# Altium PCB PCB_V0.0.PcbDoc (part 2 of 2)
Units mm, origin at the board's own origin, x right, y up, seen from the top; angles counter-clockwise.
Board outline 199 x 99 mm, 2 copper layers (Top Layer, Bottom Layer); 390 components, 361 nets, 1825 pads, 48 vias.
Unrouted connection lines stored in the file: 1025.
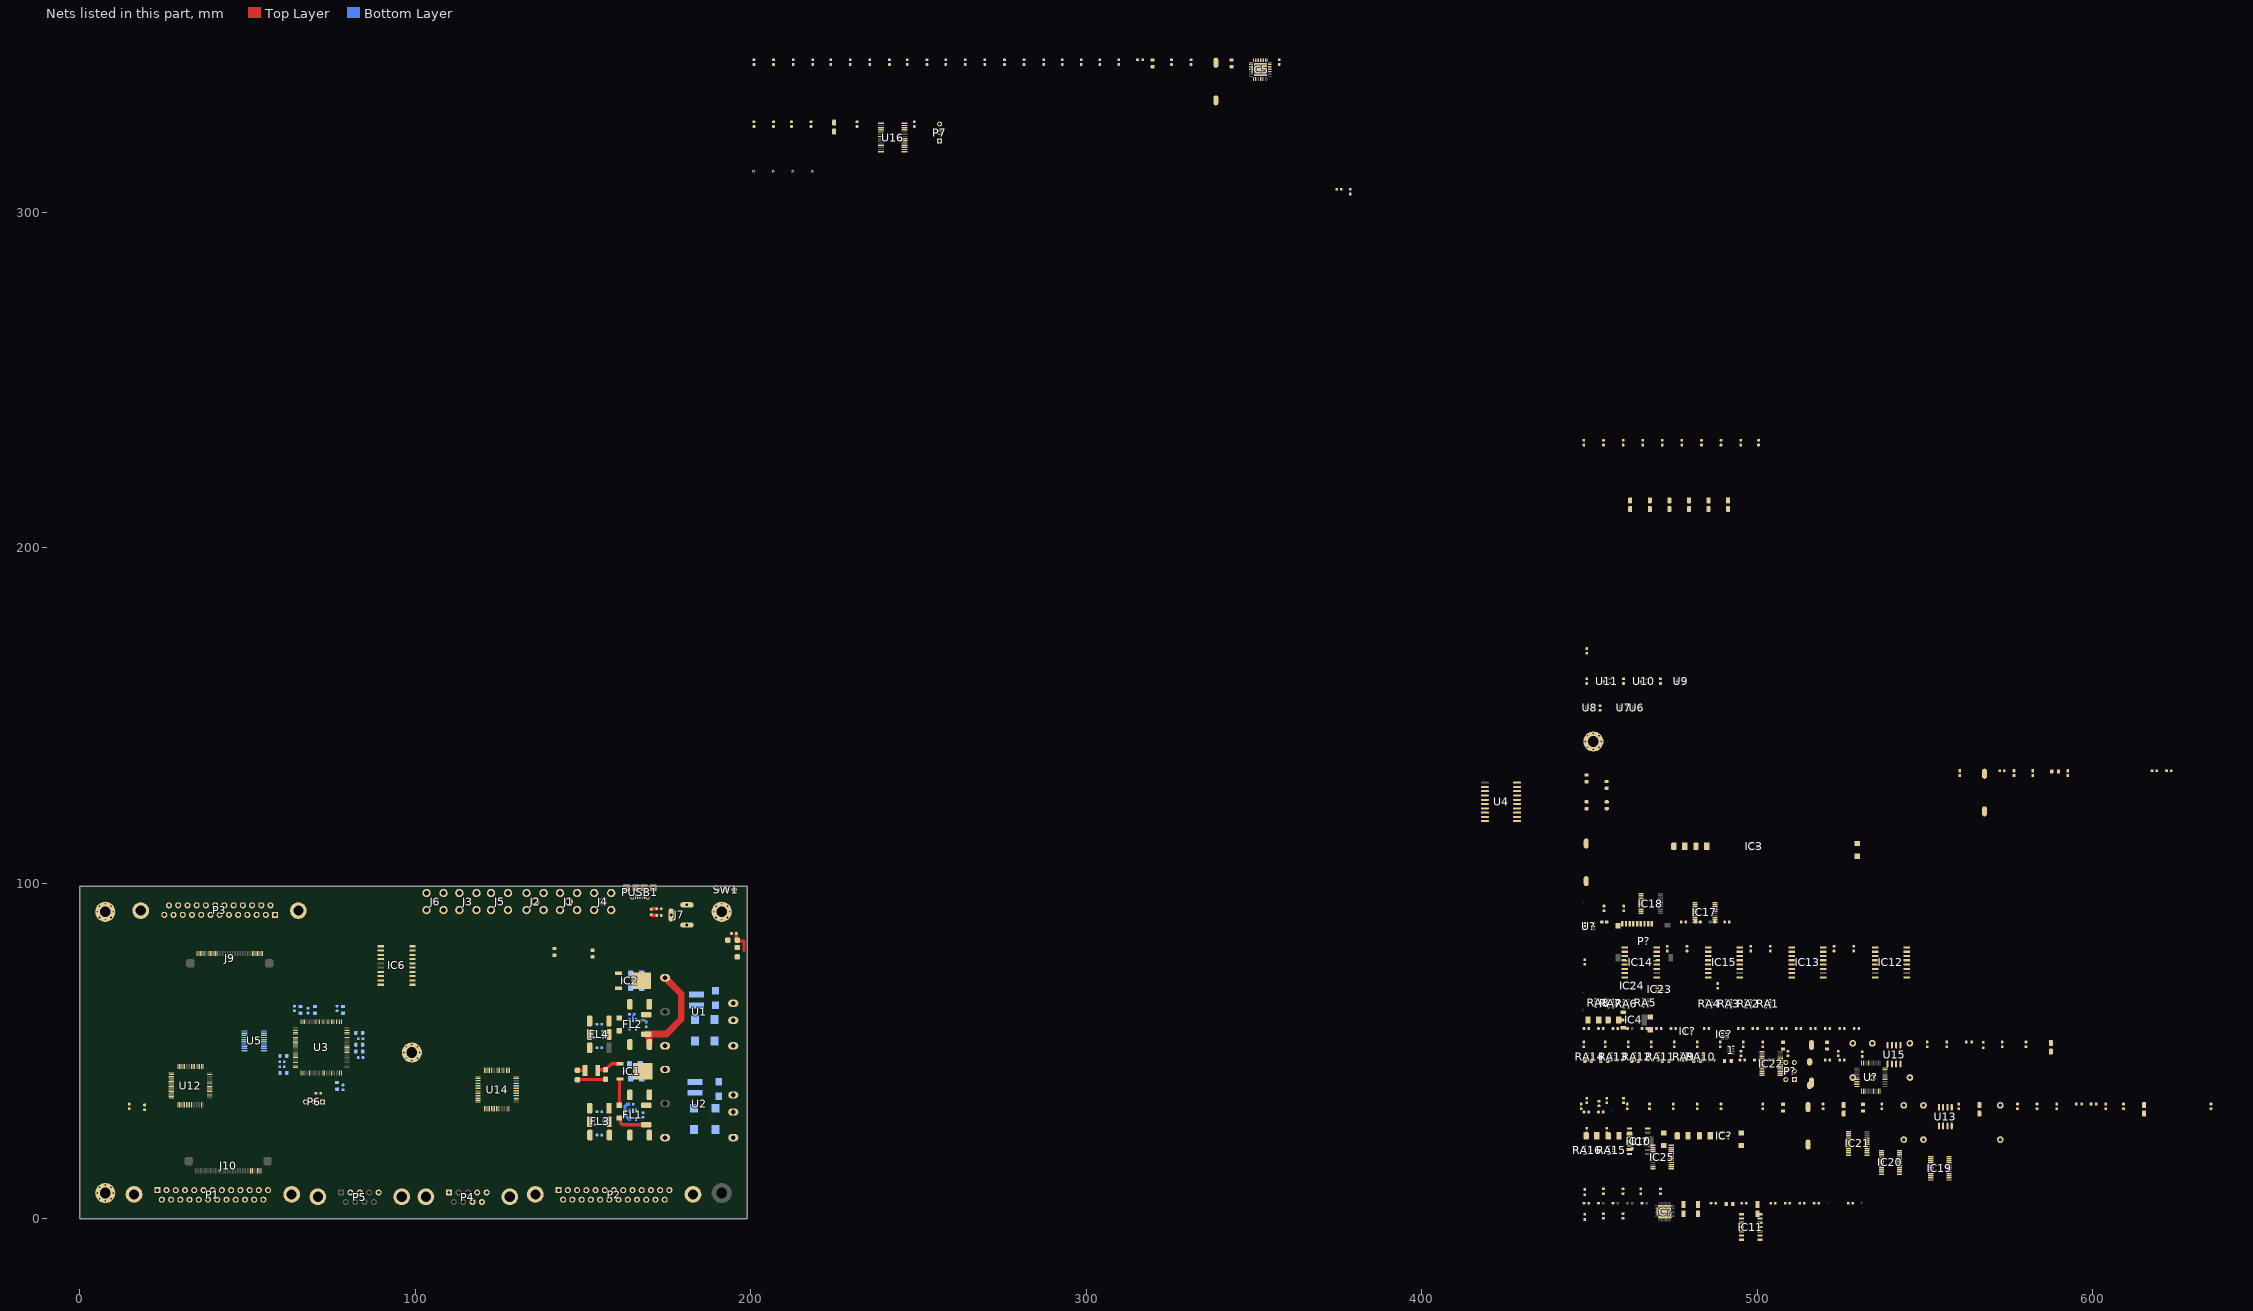
[diagram p2: the nets of this part, all layers, seen from the top]

## Footprints (in the part's own frame and the unit in brackets; to place one, negate y for a bottom-side part, rotate by r counter-clockwise, add the part's x,y. Pads: shape width x height; smd on the part's side, far side on the other; paste and mask are expansions set on the pad) (continued)
SOIC127P600X175-14N [mm]
  rect 1.525x0.65 smd: 1(-2.712,3.81) 2(-2.712,2.54) 3(-2.712,1.27) 4(-2.712,0) 5(-2.712,-1.27) 6(-2.712,-2.54) 7(-2.712,-3.81) 8(2.712,-3.81) 9(2.712,-2.54) 10(2.712,-1.27) 11(2.712,0) 12(2.712,1.27) 13(2.712,2.54) 14(2.712,3.81)
  silkscreen extent -3.47,-4.33 1.6,4.48, body extent -3.01,-4.32 3.01,4.34, height 1.75
SOIC127P1032X265-16N [mm]
  rect 1.925x0.65 smd: 1(-4.712,4.445) 2(-4.712,3.175) 3(-4.712,1.905) 4(-4.712,0.635) 5(-4.712,-0.635) 6(-4.712,-1.905) 7(-4.712,-3.175) 8(-4.712,-4.445) 9(4.712,-4.445) 10(4.712,-3.175) 11(4.712,-1.905) 12(4.712,-0.635) 13(4.712,0.635) 14(4.712,1.905) 15(4.712,3.175) 16(4.712,4.445)
  silkscreen extent -5.68,-5.15 3.4,5.15, body extent -5.16,-5.15 5.16,5.15, height 2.65
SOIC127P1032X265-20N [mm]
  rect 1.925x0.65 smd: 1(-4.712,5.715) 2(-4.712,4.445) 3(-4.712,3.175) 4(-4.712,1.905) 5(-4.712,0.635) 6(-4.712,-0.635) 7(-4.712,-1.905) 8(-4.712,-3.175) 9(-4.712,-4.445) 10(-4.712,-5.715) 11(4.712,-5.715) 12(4.712,-4.445) 13(4.712,-3.175) 14(4.712,-1.905) 15(4.712,-0.635) 16(4.712,0.635) 17(4.712,1.905) 18(4.712,3.175) 19(4.712,4.445) 20(4.712,5.715)
  silkscreen extent -5.68,-6.4 3.4,6.4, body extent -5.16,-6.4 5.16,6.4, height 2.65
SOP64P600X175-24N [mm]
  rect 1.525x0.435 smd: 1(-2.712,3.492) 2(-2.712,2.858) 3(-2.712,2.222) 4(-2.712,1.588) 5(-2.712,0.952) 6(-2.712,0.318) 7(-2.712,-0.318) 8(-2.712,-0.952) 9(-2.712,-1.588) 10(-2.712,-2.222) 11(-2.712,-2.858) 12(-2.712,-3.492) 13(2.712,-3.492) 14(2.712,-2.858) 15(2.712,-2.222) 16(2.712,-1.588) 17(2.712,-0.952) 18(2.712,-0.318) 19(2.712,0.318) 20(2.712,0.952) 21(2.712,1.588) 22(2.712,2.222) 23(2.712,2.858) 24(2.712,3.492)
  silkscreen extent -3.47,-4.33 1.6,4.33, body extent -3,-4.33 3,4.33, height 1.6
SOP65P640X120-20N [mm]
  rect 1.475x0.45 smd: 1(-2.938,2.925) 2(-2.938,2.275) 3(-2.938,1.625) 4(-2.938,0.975) 5(-2.938,0.325) 6(-2.938,-0.325) 7(-2.938,-0.975) 8(-2.938,-1.625) 9(-2.938,-2.275) 10(-2.938,-2.925) 11(2.938,-2.925) 12(2.938,-2.275) 13(2.938,-1.625) 14(2.938,-0.975) 15(2.938,-0.325) 16(2.938,0.325) 17(2.938,0.975) 18(2.938,1.625) 19(2.938,2.275) 20(2.938,2.925)
  silkscreen extent -3.67,-3.25 1.85,3.5, body extent -3.2,-3.25 3.2,3.25, height 1.13
SOT23_6 [mm] "SOT-23-6, DDC, DBV, MICRO6, SOT-26, SOT457, SuperSOT6, TSOP-6, HMC313, TSOT, 1.5x3mm, Pitch 0.65mm, CA531, MO-178AB, MO-193AA"
  oval 1.2x0.6 smd paste-0.05: 1(-1.3,0.95) 2(-1.3,0) 3(-1.3,-0.95) 4(1.3,-0.95) 5(1.3,0) 6(1.3,0.95)
  silkscreen extent -1.6,-1.6 0.9,1.9, body extent -1.5,-1.5 1.5,1.5, height 1.3
SOT95P237X112-3N [mm]
  rect 1.25x0.65 smd: 1(-1.05,0.95) 2(-1.05,-0.95) 3(1.05,0)
  silkscreen extent -1.68,-1.43 0.08,1.53, body extent -1.18,-1.43 1.18,1.43, height 1.12
SOT95P280X145-5N [mm]
  rect 1.2x0.6 smd: 1(-1.25,0.95) 2(-1.25,0) 3(-1.25,-0.95) 4(1.25,-0.95) 5(1.25,0.95)
  silkscreen extent -1.85,-1.45 0.3,1.5, body extent -1.4,-1.45 1.4,1.45, height 1.2
SOT230P700X180-4N [mm]
  rect 1.65x0.95 smd: 1(-3.15,2.3) 2(-3.15,0) 3(-3.15,-2.3)
  rect 1.65x3.25 smd: 4(3.15,0)
  silkscreen extent -3.98,-3.25 1.75,3.25, body extent -3.5,-3.25 3.5,3.25, height 1.8
SOT353_5 [mm] "SC-88A, SC70-5, TSSOP5, SOT-353, DCK (TI), 0.65mm pitch 2X1.3mm, 0.65mm pitch"
  oval 1x0.4 smd mask+0.075: 1(-1,0.65) 2(-1,0) 3(-1,-0.65) 4(1,-0.65) 5(1,0.65)
  silkscreen extent -1.3,-1.1 0.7,1.5, body extent -1.15,-1.05 1.15,1.05, height 1
SOTFL50P160X60-8N [mm]
  rect 0.475x0.3 smd: 1(-0.838,0.75) 2(-0.838,0.25) 3(-0.838,-0.25) 4(-0.838,-0.75) 5(0.838,-0.75) 6(0.838,-0.25) 7(0.838,0.25) 8(0.838,0.75)
  silkscreen extent -1.07,-1.05 0.25,1.15, body extent -0.8,-1.05 0.8,1.05, height 0.6
SUNTECH_ST-TF-003A [mm]
  rect 0.7x1.6 smd: 1(3.52,5.33) 2(2.42,5.33) 3(1.32,5.33) 4(0.22,5.33) 5(-0.88,5.33) 6(-1.98,5.33) 7(-3.08,5.33) 8(-4.18,5.33) 9(-5.28,5.33)
  rect 1.4x1.6 smd: G1(-6.58,4.73)
  rect 1.4x2.2 smd: G2(-6.58,-4.77) G3(9.12,-4.77)
  rect 1.8x1.4 smd: G4(8.22,4.83)
  round 0.9 hole 0.9 unplated: ""(-3.68,-5.17) ""(4.32,-5.17)
  Keep-Out Layer region: 4.172,-1.073 -4.833,-1.073 -4.833,0.928 4.172,0.928
  silkscreen extent -6.29,-9.66 8.7,5.33
SWPBS_SPST_6X3X5 [mm] "SWITCH, PUSHBUTTON, SMD, SPST, 6X3.5mm, SKQMBBE010, 50000 Cycles, 1.57N Force"
  oval 2.2x1.6 smd mask+0.1: 1(-3.5,0) 2(3.5,0)
  silkscreen extent -3.1,-1.9 3.1,1.9, body extent -3.65,-1.75 3.65,1.75, height 5
SWSLIDT_SPDT_R_8X4 [mm] "SWSLIDT_SPDT_S_8X4, MHSS1105"
  oval 1.6x1.2 hole 0.5 slot 0.9 at 0 deg: 1(2.5,0) 2(0,0) 3(-2.5,0)
  silkscreen extent -4.2,-0.3 4.2,5.2, body extent -4.25,-0.2 4.25,5.3, height 3.75
TO228P972X240-3N [mm]
  rect 2.1x1 smd: 1(-4.35,2.28) 3(-4.35,-2.28)
  rect 5.85x4.9 smd: 4(2.45,0)
  silkscreen extent -5.27,-3.25 -0.85,3.42, body extent -4.78,-3.3 4.75,3.3, height 2.3
TP80D50 [mm]
  round 0.8 hole 0.5 mask+0.025: 1(0,0)
  silkscreen extent -0.5,-0.5 0.5,0.5
TPS2121RUXR [mm]
  rect 1.05x0.4 smd: 1(-0.675,0.35) 2(-0.675,-0.35) 7(0.675,-0.35) 8(0.675,0.35)
  rect 0.2x0.6 smd: 3(-0.75,-1.15) 4(-0.25,-1.15) 5(0.25,-1.15) 6(0.75,-1.15) 9(0.75,1.15) 10(0.25,1.15) 11(-0.25,1.15) 12(-0.75,1.15)
  silkscreen extent -1.7,0.3 -1.6,0.4, body extent -1,-1.25 1,1.25, height 1
USB_MICRO_AB_TM_SHT [mm] "CONN, USB Micro AB, Top mount, Shell THT, molex 475900001"
  oval 0.4x1.4 smd: 1(-1.3,0) 2(-0.65,0) 3(0,0) 4(0.65,0) 5(1.3,0)
  oval 1.2x1.4 hole 0.8 mask+0.05: SH1(-2.3,-0.2) SH2(2.3,-0.2)
  rect 2x2 smd: SH3(-4,2.6) SH4(-1.2,2.6) SH5(1.2,2.6) SH6(4,2.6)
  oval 0.8x1.6 hole 0.5 slot 1.2 at 90 deg: SH7(-4.2,2.8) SH8(4.2,2.8)
  silkscreen extent -4.08,-1.2 4.08,5.43, body extent -4.32,-0.35 4.32,5.55, height 2.71
XTL_2_11X5 [mm] "SMD crystal resonator, ABL, ABLS, HC-49, HC49 11X4.5MM"
  oval 3x1.5 smd: 1(-5.6,0) 2(5.6,0)
  silkscreen extent -5.7,-2.4 5.7,2.4, body extent -6.4,-2.41 6.4,2.42, height 4.3
XTL_2_2012 [mm] "ABS06 2.0X1.2mm"
  rrect50% 1x1.2 smd mask+0.075: 1(-1,0) 2(1,0)
  Top Layer pour cut-out: -0.5,0.8 0.5,0.8 0.5,-0.8 -0.5,-0.8
  silkscreen extent -1.7,-0.8 1.7,0.8, body extent -1,-0.61 1,0.61, height 0.6

## Part data
1 RA1 RA2 RA3 RA4 RA5 RA6 RA7 RA8 RA9 RA10 RA11 RA12 RA13 RA14 RA15 RA16: library part RES_SMD_PACK_X4, "RESISTOR, SMD, PACKX4", MANF=MANF, MANF_P#=MANF_PART#
C1 C39 C41 C42 C43 C44 C45 C46 C47 C48 C49 C50 C51 C83 C84 C86 C89 C91 C92 C93 C94 C95 C96 C97 C99 C100 C103 C104 C105 C106 C107 C108 C109 C110 C111 C113: library part CAP_SMD_FILM_1u16v_1210, "CAP, FILM, 1uF, 16V, Acryl, 20%, 1210", ASSEMBLY=ASSEMBLY, DESC=-, MANF=Panasonic, MANF_P#=ECP-U1C105MA5, PARAM="Acrylic, MetallizedStacked, 20%, -40~85oC", PARAM2=16V, PRICE="100= 36$"
C4: library part CAP_SMD_MLCC_10u16V, "CAP, MLCC, X5R, 10uF, 10%, 16V, 0603", MANF=Murata, MANF_P#=GRT188R61C106KE13D, PARAM="X5R, 10%, -55~85°C", PARAM2=16V, PRICE="100= 20$"
C9 C10 C11 C12 C13 C14 C15 C16 C? C? C? C?: library part CAP_SMD_TAN, "CAP, SMD, TAN,", PARAM2=-V
C17: library part CAP_SMD_MLCC_1206, "CAP, MLCC, -F, -V, MATERIAL, -%, 0201", ASSEMBLY=ASSEMBLY, MANF=-, MANF_P#=MANF_PART#, PARAM="-, -%", PARAM2=-V, PRICE="100= 1$"
C22 C23 C25 C27 C29 C31 C33 C35 C118 C? C? C? C? C? C?: library part CAP_SMD_MLCC_2.2u50V_0805, "CAP, MLCC", ASSEMBLY=ASSEMBLY, DESC="CAP, MLCC", DIST#=MOUSER, MANF="Taiyo Yuden", MANF_P#=UMK212ABJ225KG-T, PARAM="X5R, 10%", PARAM2=50V, PRICE="100= 10$"
C24 C26 C28 C30 C32 C34 C36 C74 C75 C76 C77 C78 C79 C80 C81 C119 C? C? C? C? C? C? C?: library part CAP_SMD_MLCC_2.2u50V_0603, "CAP, MLCC", ASSEMBLY=ASSEMBLY, DESC="CAP, MLCC", DIST#=MOUSER, MANF=TDK, MANF_P#=C1005X7R1H104K050BB, PARAM="X7R, 10%", PARAM2=50V, PRICE="1000= 27$"
C38 C40 C87 C90 C101 C102 C116 C117: library part CAP_SMD_MLCC, "CAP, MLCC, 1nF, 50V, C0G, 10%, 0402", ASSEMBLY=ASSEMBLY, DESC=-, MANF=Murata, MANF_P#=-, PARAM="C0G, 10%", PARAM2=50V, PRICE="100= 1.4$"
C52 C53 C54 C55 C56 C57 C58 C59 C66 C67 C68 C69 C70 C71 C72 C73: library part CAP_SMD_MLCC_10u25V_0603, "CAP, MLCC", MANF=Murata, MANF_P#=GRM188R61E106KA73, PARAM="X5R, 10%", PARAM2=25V, PRICE=100=15$
C60 C61 C62 C63 C64 C65 C82 C85 C88 C98 C112: library part CAP_SMD_TAN_10uF_6.3V, "CAP, SMD, TAN", MANF=VISHAY, MANF_P#=T55A106M6R3C0300, PARAM="20%, 300mOhm, -55~105oC", PARAM2=6.3V, PRICE=0.46$
C? C? C? C? C? C? C? C? C? C? C? C? C? C? C? C? C? C? C? C?: library part CAP_SMD_MLCC_0603, "CAP, MLCC, -F, -V, MATERIAL, -%, 0201", ASSEMBLY=ASSEMBLY, MANF=-, MANF_P#=MANF_PART#, PARAM="-, -%", PARAM2=-V, PRICE="100= 1$"
C?: library part CAP_SMD_MLCC_0805, "CAP, MLCC, -F, -V, MATERIAL, -%, 0201", ASSEMBLY=ASSEMBLY, MANF=-, MANF_P#=MANF_PART#, PARAM="-, -%", PARAM2=-V, PRICE="100= 1$"
D1 D8 D13 D14: library part LED_SMD_0603_RED, "LED, SMD, 0603, RED", ASSEMBLY=ASSEMBLY, DESC=DESCRIPTION, MANF=MANF, MANF_P#=MANF_PART#, PARAM="30mA, 640nm", PARAM2=1.8~2.5V, PRICE=PRICE
D2 D3: "Diode", Manufacturer_Name="HY Electronic", Height=2.44mm, Manufacturer_Part_Number=SS510B
D4 D5 D6 D7 D? D?: "Diode", Manufacturer_Name=Shikues, Datasheet Link=https://eastronic88.en.made-in-china.com/print/FZStilOdyghn/China-Schottky-Barrier-Rectifier-Diode-SS24F-2-0A-40V-SMAF.html, Height=1.1mm, Manufacturer_Part_Number=SS24F
D9 D10 D11 D12: library part TVS_PGB0010603MR, "TVS, ESD PROTECT, 24VDC, Bidirectional", MANF=LittelFuse, MANF_P#=PGB0010603MR
FB1 FB2 FB3 FB4 FB5: library part FBEAD_SMD_MPZ1608S102, "FERRITE_Bead, 0603, 0.8A, 300mOhm, 1000@100MHz", MANF=TDK, MANF_P#=MPZ1608S102ATA00, PARAM=1000@100MHz, PARAM2=0.8A, PRICE="100= 3.4$"
FL1 FL2 FL3 FL4: "Filter", Manufacturer_Name="Texas Instruments", Mouser Part Number=595-INA180A3IDBVR, Arrow Part Number=INA180A3IDBVR, Arrow Price/Stock=https://www.arrow.com/en/products/ina180a3idbvr/texas-instruments?region=nac, Datasheet Link=http://www.ti.com/lit/gpn/INA180, Height=1.45mm, Manufacturer_Part_Number=INA180A3IDBVR, Mouser Price/Stock=https://www.mouser.co.uk/ProductDetail/Texas-Instruments/INA180A3IDBVR?qs=5aG0NVq1C4xT61h4EgbaIA%3D%3D
IC1 IC2: "Integrated Circuit", Manufacturer_Name=STMicroelectronics, Mouser Part Number=511-LF33CDT, Datasheet Link=http://www.st.com/web/en/resource/technical/document/datasheet/CD00000546.pdf, Height=2.4mm, Manufacturer_Part_Number=LF33CDT, Mouser Price/Stock=https://www.mouser.co.uk/ProductDetail/STMicroelectronics/LF33CDT?qs=tZUCD5p2VWo1sRQNOfAbrg%3D%3D
IC3 IC?: "Integrated Circuit", Arrow Part Number=MCP1700T-3302E/TT, Manufacturer_Name=Microchip, Mouser Part Number=579-MCP1700T3302E/TT, Arrow Price/Stock=https://www.arrow.com/en/products/mcp1700t-3302ett/microchip-technology?region=europe, Datasheet Link=https://datasheet.datasheetarchive.com/originals/distributors/SFDatasheet-4/sf-00090030.pdf, Height=1.12mm, Manufacturer_Part_Number=MCP1700T-3302E/TT, Mouser Price/Stock=https://www.mouser.co.uk/ProductDetail/Microchip-Technology/MCP1700T-3302E-TT?qs=fM4xO01eazPmCNDrdHEdaw%3D%3D
IC4 IC?: "Integrated Circuit", Manufacturer_Name=STMicroelectronics, Mouser Part Number=511-LD1117S18CTR, Arrow Part Number=LD1117S18CTR, Arrow Price/Stock=https://www.arrow.com/en/products/ld1117s18ctr/stmicroelectronics?region=nac, Datasheet Link=http://www.st.com/st-web-ui/static/active/en/resource/technical/document/datasheet/CD00000544.pdf, Height=1.8mm, Manufacturer_Part_Number=LD1117S18CTR, Mouser Price/Stock=https://www.mouser.co.uk/ProductDetail/STMicroelectronics/LD1117S18CTR?qs=qolwYojYp3Sa3BPkKnJupg%3D%3D
IC5: "Integrated Circuit", Manufacturer_Name=Microchip, Mouser Part Number=886-USB2514B-AEZG, Arrow Part Number=USB2514B-AEZG, Arrow Price/Stock=https://www.arrow.com/en/products/usb2514b-aezg/microchip-technology?region=nac, Datasheet Link=http://ww1.microchip.com/downloads/en/DeviceDoc/00001692C.pdf, Height=1mm, Manufacturer_Part_Number=USB2514B-AEZG, Mouser Price/Stock=https://www.mouser.co.uk/ProductDetail/Microchip-Technology/USB2514B-AEZG?qs=ydWXD%252B8LvLCxuNqQPTEcVA%3D%3D
IC6: "Integrated Circuit", Manufacturer_Name="Analog Devices", Mouser Part Number=584-ADM2587EBRWZ, Arrow Part Number=ADM2587EBRWZ, Arrow Price/Stock=https://www.arrow.com/en/products/adm2587ebrwz/analog-devices?region=nac, Datasheet Link=http://www.analog.com/static/imported-files/data_sheets/ADM2582E_2587E.pdf, Height=2.65mm, Manufacturer_Part_Number=ADM2587EBRWZ, Mouser Price/Stock=https://www.mouser.co.uk/ProductDetail/Analog-Devices/ADM2587EBRWZ?qs=BpaRKvA4VqEzsBsna6VmlA%3D%3D
IC10 IC11: "Integrated Circuit", Manufacturer_Name="Texas Instruments", Mouser Part Number=595-SN74LVC07AD, Arrow Part Number=SN74LVC07AD, Arrow Price/Stock=https://www.arrow.com/en/products/sn74lvc07ad/texas-instruments?region=nac, Datasheet Link=http://www.ti.com/lit/ds/symlink/sn74lvc07a.pdf, Height=1.75mm, Manufacturer_Part_Number=SN74LVC07AD, Mouser Price/Stock=https://www.mouser.co.uk/ProductDetail/Texas-Instruments/SN74LVC07AD?qs=8yeEWhuAOtMkbU1H3MsIVg%3D%3D
IC12 IC13 IC14 IC15: "Integrated Circuit", Manufacturer_Name="Analog Devices", Mouser Part Number=584-ADUM1400BRWZ-R, Arrow Part Number=ADUM1400BRWZ-RL, Arrow Price/Stock=https://www.arrow.com/en/products/adum1400brwz-rl/analog-devices?region=nac, Datasheet Link=https://www.analog.com/ADUM1400/datasheet, Height=2.65mm, Manufacturer_Part_Number=ADUM1400BRWZ-RL, Mouser Price/Stock=https://www.mouser.co.uk/ProductDetail/Analog-Devices/ADUM1400BRWZ-RL?qs=WIvQP4zGanh%2FP3K3z%252BgM%252Bw%3D%3D
IC17 IC18: "Integrated Circuit", Manufacturer_Name="Texas Instruments", Mouser Part Number=595-TMUX1134PWR, Arrow Part Number=TMUX1134PWR, Arrow Price/Stock=null?region=nac, Datasheet Link=https://www.ti.com/lit/gpn/TMUX1134, Height=1.2mm, Manufacturer_Part_Number=TMUX1134PWR, Mouser Price/Stock=https://www.mouser.co.uk/ProductDetail/Texas-Instruments/TMUX1134PWR?qs=%252B6g0mu59x7L8VGQncKsYmQ%3D%3D
IC19 IC20 IC21 IC22 IC25: "Integrated Circuit", Manufacturer_Name="Texas Instruments", Mouser Part Number=595-SN74LVC8T245DBQR, Arrow Part Number=SN74LVC8T245DBQR, Arrow Price/Stock=https://www.arrow.com/en/products/sn74lvc8t245dbqr/texas-instruments?region=nac, Datasheet Link=http://www.ti.com/lit/gpn/sn74lvc8t245, Height=1.75mm, Manufacturer_Part_Number=SN74LVC8T245DBQR, Mouser Price/Stock=https://www.mouser.co.uk/ProductDetail/Texas-Instruments/SN74LVC8T245DBQR?qs=dT9u2OTAaVXsrjZUGB3%252Bbw%3D%3D
IC23 IC?: "Integrated Circuit", Manufacturer_Name="Texas Instruments", Mouser Part Number=595-TPS2121RUXR, Arrow Part Number=TPS2121RUXR, Arrow Price/Stock=null?utm_currency=USD&region=nac, Datasheet Link=https://www.ti.com/lit/gpn/TPS2121, Height=1mm, Manufacturer_Part_Number=TPS2121RUXR, Mouser Price/Stock=https://www.mouser.co.uk/ProductDetail/Texas-Instruments/TPS2121RUXR?qs=qSfuJ%252Bfl%2Fd7dCYiVnUfngQ%3D%3D
IC24 IC?: "Integrated Circuit", Manufacturer_Name="Texas Instruments", Mouser Part Number=595-TPS2116DRLR, Arrow Part Number=TPS2116DRLR, Arrow Price/Stock=https://www.arrow.com/en/products/tps2116drlr/texas-instruments?region=nac, Datasheet Link=https://www.ti.com/lit/gpn/tps2116, Height=0.6mm, Manufacturer_Part_Number=TPS2116DRLR, Mouser Price/Stock=https://www.mouser.co.uk/ProductDetail/Texas-Instruments/TPS2116DRLR?qs=aP1CjGhiNiGo3XAyXcVPaQ%3D%3D
IC?: "Integrated Circuit", Manufacturer_Name=Realtek, Datasheet Link=https://datasheet.lcsc.com/szlcsc/2001151131_Realtek-Semicon-ALC5651-CGT_C474323.pdf, Height=0.9mm, Manufacturer_Part_Number=ALC5651-CGT
J1 J2 J3 J4 J5 J6: library part CONN_RF_SMA_RA, "CONN, RF, SMA, Right Angle", ASSEMBLY=ASSEMBLY, DESC=DESCRIPTION, DIST#=DIGIKEY, MANF=Samtec, MANF_P#=SMA-J-P-H-RA-TH1, PARAM="50Ohm, 20GHz", PARAM2=GOLD, PRICE=6.3$
J7: library part CONN_PWR_JACKR2, "CONN, PWR JACK DC, PLUG DIAM 2.0MM RA THD", MANF="CUI STACK", MANF_P#="PJ-202A, PJ-002AH, PJ-102AH, KLDX-0202"
J9 J10: "CONN, FPC, 0.50mm pitch, RightAngle, Bot. Contact", ComponentLink1Description="Website Smart World", ComponentLink1URL=https://www.smartw.ir/, ComponentLink2Description=Telegram, ComponentLink2URL=https://t.me/altium_smartw, ComponentLink3Description=Instagram, ComponentLink3URL=https://Instagram.com/smartgw.ir, DatasheetVersion=2021
JP? JP? JP? JP? JP? JP? JP?: library part JUMPER_SOLDER, "JUMPER, HEADER 2PIN", MANF=MANF, MANF_P#=MANF_P#
L2 L3: library part CD43NP-220MC, "Inductor", Manufacturer_Name=Sumida, Mouser Part Number=851-CD43NP-220MC, Arrow Part Number=CD43NP-220MC, Arrow Price/Stock=https://www.arrow.com/en/products/cd43np-220mc/sumida?region=nac, Datasheet Link=https://products.sumida.com/products/pdf/CD43.pdf, Height=3.5mm, Manufacturer_Part_Number=CD43NP-220MC, Mouser Price/Stock=https://www.mouser.co.uk/ProductDetail/Sumida/CD43NP-220MC?qs=ttApTud31JYLH5yY3TuJPg%3D%3D
M1 M2 M3 M4 M5 M6: library part SCMH_M3, "SCREW mouting, M3, 3.0mm diameter and 6.0mm PanHead", ASSEMBLY=DNP
P1 P2 P3: library part CONN_DSUB_25RF, "CONN, DSUB, HD, 25PIN, R/A, FEMALE, THD", MANF=-, MANF_P#=-
P4 P5: library part CONN_DSUB_9RF, "CONN, DSUB, HD, 9PIN, R/A, FEMALE, THD", MANF=-, MANF_P#=-
P6 P7: "Header, 3-Pin", ComponentLinkp-URL=https://www.smartw.ir/, DatasheetVersion=2020
P?: "Micro SD Card Socket", Package=None, Availability=Unavailable, MP=ST-TF-003A, PRICE=None
PUSB1: library part CONN_USB_MICRO_AB_TM_SHT, "CONN, USB, MICRO AB, R/A, SMD, TOP MOUNT", MANF=MOLEX, MANF_P#=47590-0001, PARAM="1.8A, -20~85oC", PARAM2=30VAC, PRICE=0.75$
R1 R7 R9 R10 R12 R14 R15 R16 R17 R18 R19 R20 R21 R22 R23 R24 R39 R40 R41 R42 R43 R44 R45 R46 R47 R51 R52 R53 R54 R55 R56 R57 R58 R62 R63 R64 R65 R66 R67 R68 R69 R70 R71 R72 R75 R76 R77 R78 R79 R80 R81 R82 R? R? R? R? R? R? R? R? R? R? R? R? R?: library part RES_SMD_0603, "RESISTOR, SMD", ASSEMBLY=ASSEMBLY, DESC=DESCRIPTION, DIST#=MOUSER, MANF=-, MANF_P#=-, PARAM=-W, PARAM2=1%, PRICE="100= 0.5$"
R2 R3 R4 R5 R25 R26 R27 R28 R29 R30 R31 R32: library part RES_SMD_2512, "RESISTOR, SMD", ASSEMBLY=ASSEMBLY, DESC=DESCRIPTION, DIST#=MOUSER, MANF=-, MANF_P#=-, PARAM=-W, PARAM2=1%, PRICE="100= 0.5$"
R6: library part RES_SMD_1206, "RESISTOR, SMD", ASSEMBLY=ASSEMBLY, DESC=DESCRIPTION, DIST#=MOUSER, MANF=-, MANF_P#=-, PARAM=-W, PARAM2=1%, PRICE="100= 0.5$"
R11 R? R?: library part RES_SMD, "RESISTOR, SMD", ASSEMBLY=ASSEMBLY, DESC=DESCRIPTION, DIST#=MOUSER, MANF=-, MANF_P#=-, PARAM=-W, PARAM2=1%, PRICE="100= 0.5$"
R34 R35 R37 R38: library part RES_SMD_0805, "RESISTOR, SMD", ASSEMBLY=ASSEMBLY, DESC=DESCRIPTION, DIST#=MOUSER, MANF=-, MANF_P#=-, PARAM=-W, PARAM2=1%, PRICE="100= 0.5$"
R48 R49 R50 R59 R60 R61: library part RES_THD, "RESISTOR, THD", ASSEMBLY=ASSEMBLY, DESC=DESCRIPTION, DIST#=MOUSER, MANF="KOA SPEER", MANF_P#=RK73H1ETTP4701F, PARAM=0.063W, PARAM2=1%, PRICE="100= 0.5$"
SCRW1 SCRW2 SCRW3 SCRW4 SCRW5 SCRW6: library part SCRW_PANH_PHLIPS_M3X5, "SCREW, M3, 3.0mm diameter and 6.0mm PanHead", ASSEMBLY=DNP
SW1: library part SWSLIDT_SPDT_R_8X4, "SWITCH, SLIDE, SPDT, 8X4mm, THD", ASSEMBLY=ASSEMBLY, DESC=DESCRIPTION, MANF=Apem, MANF_PART#=MHSS1105, PARAM=PARAM, PRICE=0.5$